# KiCad board panel.kicad_pcb (continued)
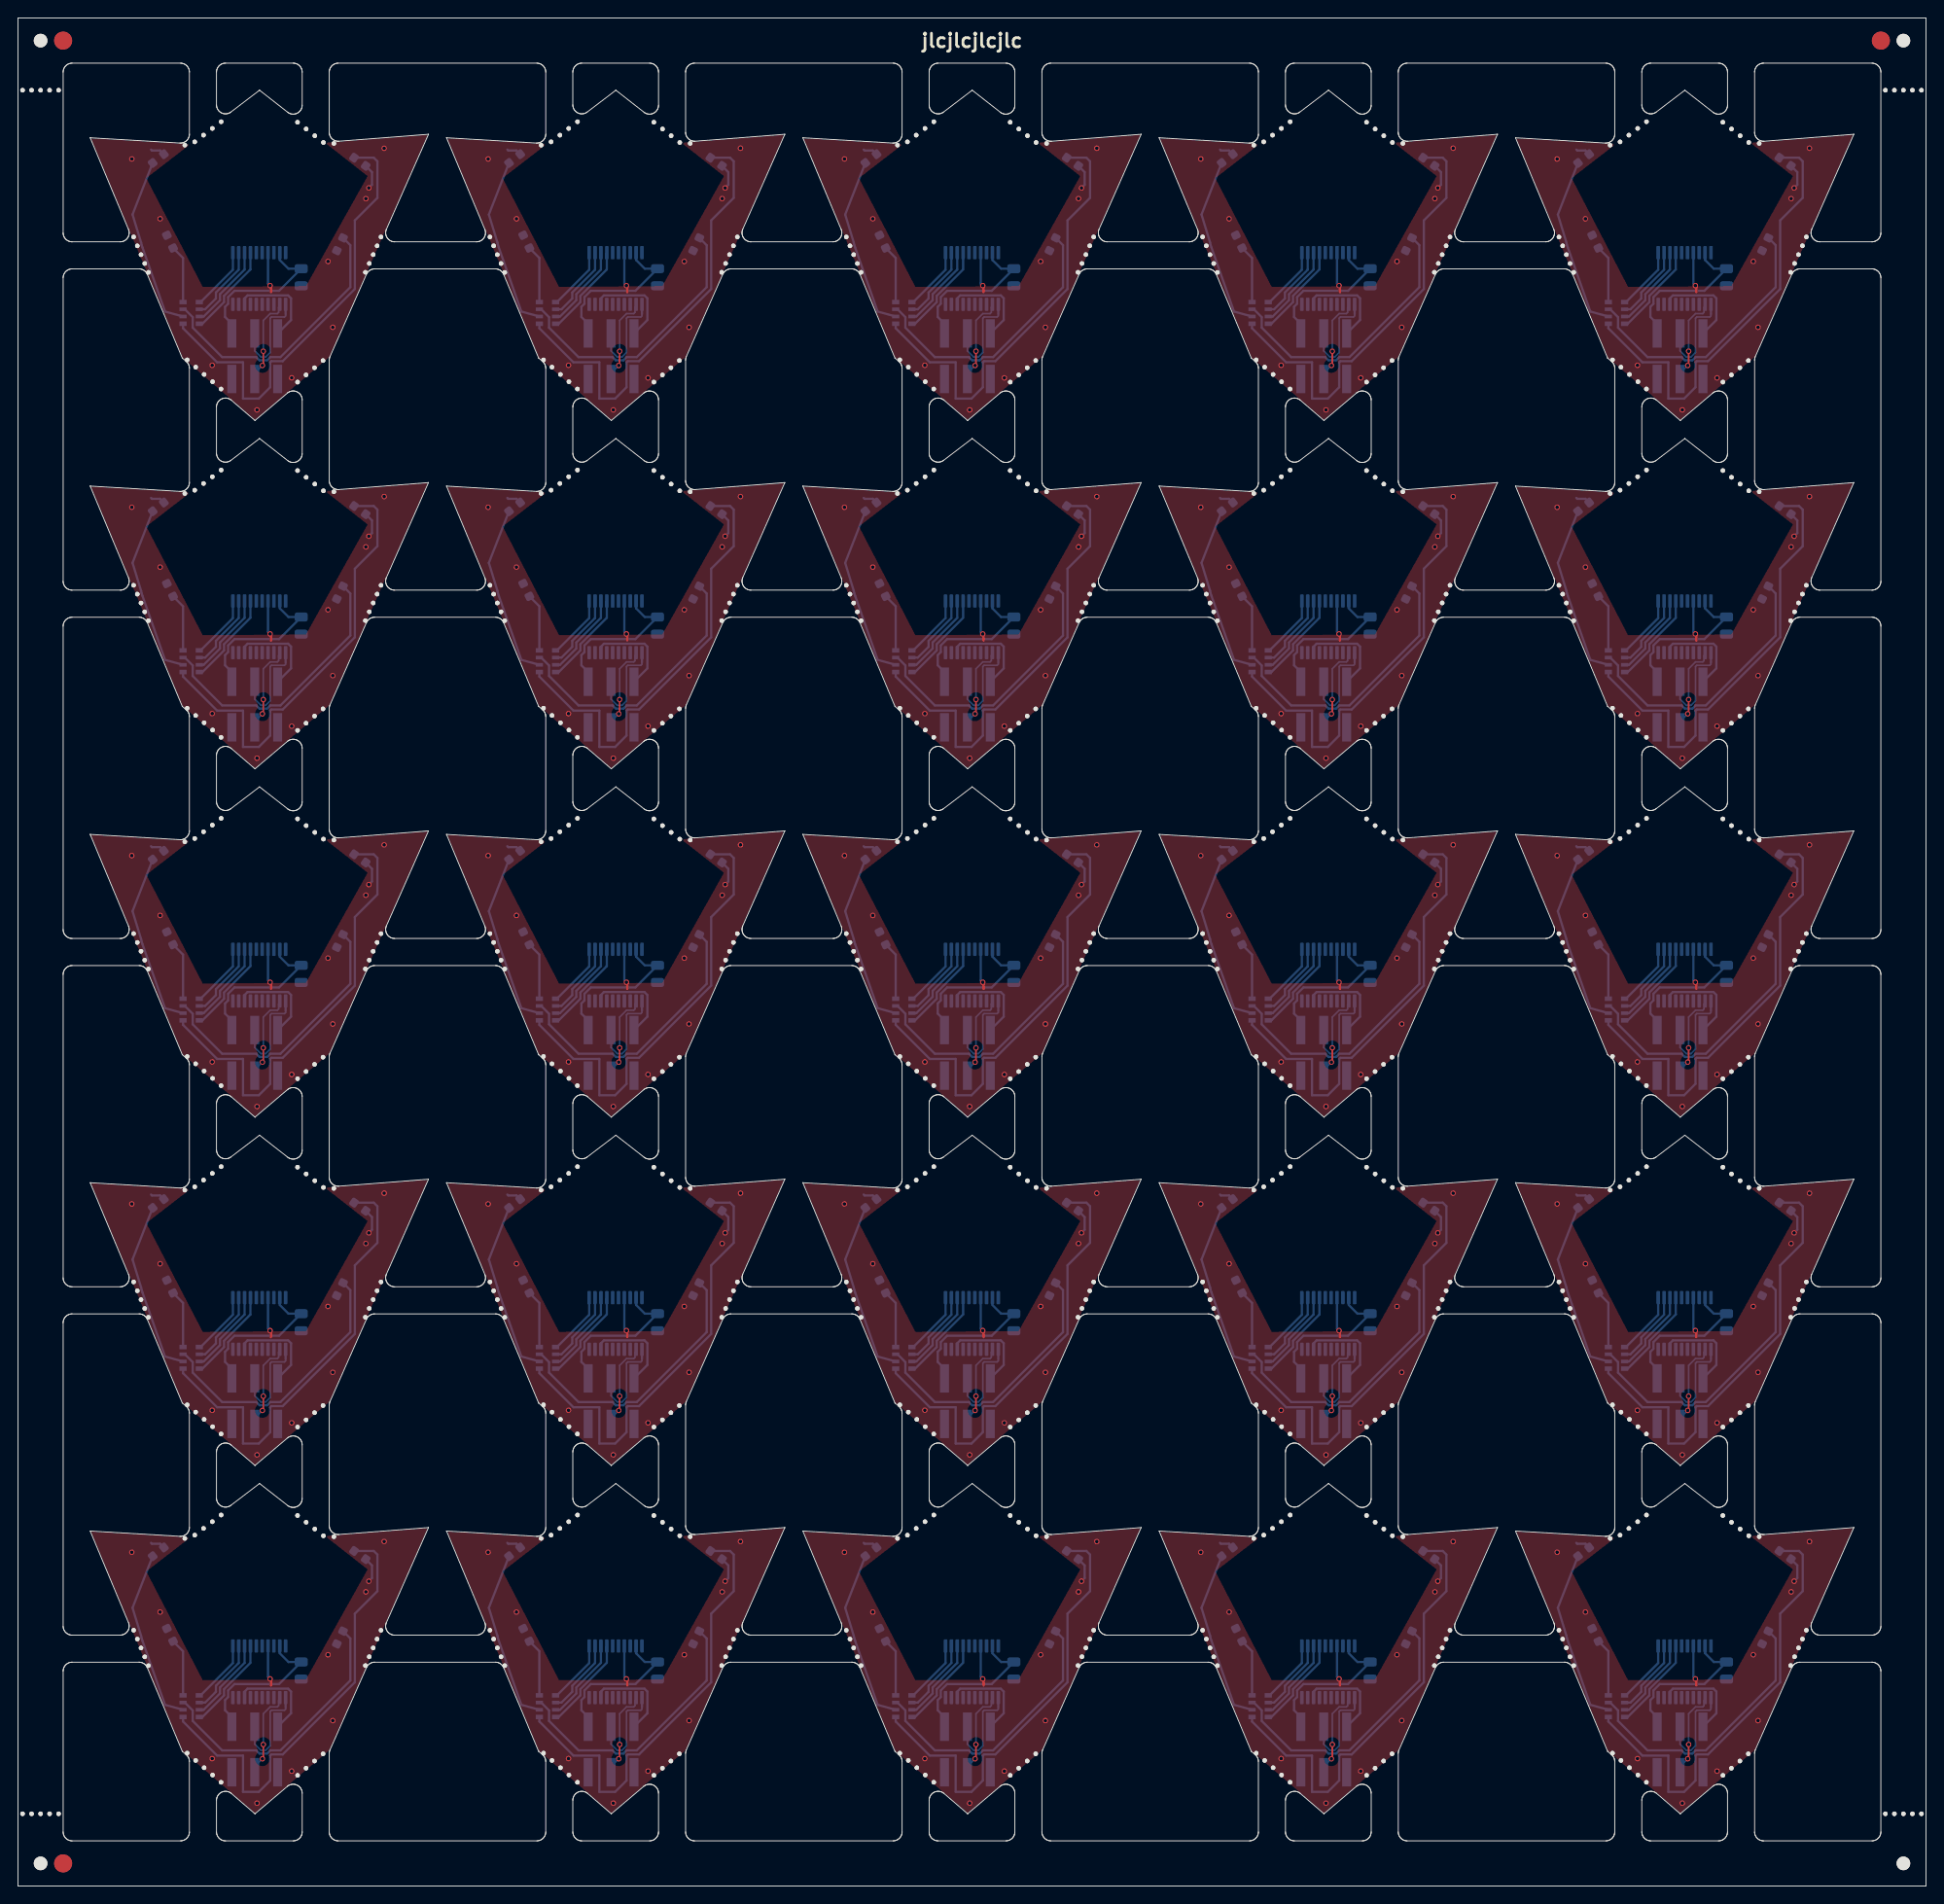
[diagram p0: board, top side]
## Routing (per net, layer and track width the routed paths; a pad name or vN(x,y) marks a point on that pad's centre or on a via; arc(x,y) is an arc through that point) (continued)
  Bottom w0.25: 187.7,59.41 187.7,58.41
Board_19-SWIO: length 10.7
  Bottom w0.25: J1#3.5 188.3,57.75 188.3,60.15 187.98,60.47 183.48,60.47 183.15,60.15 183.15,59.41
Board_19-VCC: length 17.4
  Bottom w0.25: J1#3.1 181.74,57.33 180.99,58.08 180.99,59.21 181.33,59.55 181.33,60.28 182.03,60.98 186.98,60.98 C1#2.2 188.02,63.43 187.05,64.4 187.05,65.13
Board_19-VSS: length 9
  Top w0.25: 186.08,60.83 186.08,61.46 v1(185.98,61.56)
  Bottom w0.25: U1#6.7 185.75,61.78 v1(185.98,61.56) ; D8#15.1 197.28,74.13 197.28,72.73 v1(196.93,72.38) ; D4#6.1 173.79,76.53 172.88,76.53 172.78,76.63
  vias: v1(170.65,75.59) v1(173.79,68.96) v1(179.56,52.72) v1(184.53,47.78) v1(188.38,51.33) v1(192.4,64.23) v1(192.93,56.93) v1(196.6,71.2) v1(198.63,76.78)
Board_20-A: length 7
  Bottom w0.25: 23.82,26.53 23.82,24.7 20.24,21.13 RN1#2.5
Board_20-B: length 8.4
  Bottom w0.25: 24.47,26.53 24.47,24.72 21.94,22.19 21.94,21.52 20.74,20.33 RN1#2.6
Board_20-C: length 9.4
  Bottom w0.25: RN1#2.7 20.58,19.53 22.39,21.34 22.39,22 25.12,24.73 25.12,26.53
Board_20-D: length 10.4
  Bottom w0.25: 25.77,26.53 25.77,24.74 22.84,21.81 22.84,21.12 20.44,18.73 RN1#2.8
Board_20-Net-(D2-A): length 6.4
  Bottom w0.25: RN1#2.4 18.29,26.01 D2#6.2
Board_20-Net-(D4-A): length 19.6
  Bottom w0.25: RN1#2.2 16.29,20.08 13.79,27.18 13.69,27.48 13.64,27.73 12.69,30.83 D4#3.2
Board_20-Net-(D6-A): length 30.7
  Bottom w0.25: D6#13.2 36.84,27.43 36.84,22.78 29.09,15.03 27.97,15.03 27.61,14.67 26.78,14.67 26.42,15.03 22.63,15.03 19.37,18.29 19.37,19.45 18.49,20.33 RN1#2.3
Board_20-Net-(D8-A): length 49.7
  Bottom w0.25: D8#24.2 39.44,37.13 39.84,36.73 39.84,32.68 37.34,30.18 37.34,22.58 29.34,14.58 28.08,14.58 27.96,14.45 27.96,11.69 26.7,10.43 24.94,10.43 24.94,14.45 22.07,14.45 18.29,18.23 RN1#2.1
Board_20-SCL: length 9.8
  Top w0.18: v1(27.09,14.1) 27.19,14.2 v1(27.19,15.68)
  Bottom w0.18: v1(27.19,15.68) 27.19,19.09 27.96,19.85 28.76,19.85 28.9,19.99 28.9,20.53 29.02,20.65 29.02,20.8 ; J1#20.4 26.24,13.25 v1(27.09,14.1)
Board_20-SDA: length 11
  Bottom w0.18: J1#20.3 26.24,15.72 26.93,15.04 27.46,15.04 27.96,15.54 27.96,19.34 28.1,19.48 29.54,19.48 29.67,19.6 29.67,19.8
  Bottom w0.25: 29.67,20.8 29.67,19.8
Board_20-SWIO: length 10.7
  Bottom w0.25: 25.12,20.8 25.12,21.54 25.45,21.87 29.95,21.87 30.27,21.54 30.27,19.14 J1#20.5
Board_20-VCC: length 17.4
  Bottom w0.25: J1#20.1 23.7,18.73 22.95,19.48 22.95,20.6 23.29,20.94 23.29,21.68 23.99,22.38 28.94,22.38 C1#8.2 29.98,24.83 29.02,25.79 29.02,26.53
Board_20-VSS: length 9
  Top w0.25: 28.04,22.23 28.04,22.85 v1(27.94,22.95)
  Bottom w0.25: v1(38.89,33.78) 39.24,34.13 39.24,35.53 D8#24.1 ; 14.74,38.03 14.84,37.93 15.76,37.93 D4#3.1 ; U1.7 27.72,23.18 v1(27.94,22.95)
  vias: v1(12.61,36.99) v1(15.75,30.36) v1(21.52,14.12) v1(26.49,9.18) v1(30.34,12.73) v1(34.36,25.63) v1(34.89,18.33) v1(38.56,32.6) v1(40.59,38.18)
Board_21-A: length 7
  Bottom w0.25: 63.33,26.53 63.33,24.7 59.75,21.13 RN1#19.5
Board_21-B: length 8.4
  Bottom w0.25: 63.98,26.53 63.98,24.72 61.45,22.19 61.45,21.52 60.25,20.33 RN1#19.6
Board_21-C: length 9.4
  Bottom w0.25: 64.63,26.53 64.63,24.73 61.9,22 61.9,21.34 60.09,19.53 RN1#19.7
Board_21-D: length 10.4
  Bottom w0.25: RN1#19.8 59.95,18.73 62.35,21.12 62.35,21.81 65.28,24.74 65.28,26.53
Board_21-Net-(D2-A): length 6.4
  Bottom w0.25: RN1#19.4 57.8,26.01 D2#16.2
Board_21-Net-(D4-A): length 19.6
  Bottom w0.25: RN1#19.2 55.8,20.08 53.3,27.18 53.2,27.48 53.15,27.73 52.2,30.83 D4#8.2
Board_21-Net-(D6-A): length 30.7
  Bottom w0.25: RN1#19.3 58,20.33 58.88,19.45 58.88,18.29 62.14,15.03 65.93,15.03 66.29,14.67 67.12,14.67 67.47,15.03 68.6,15.03 76.35,22.78 76.35,27.43 D6#17.2
Board_21-Net-(D8-A): length 49.7
  Bottom w0.25: RN1#19.1 57.8,18.23 61.58,14.45 64.45,14.45 64.45,10.43 66.2,10.43 67.47,11.69 67.47,14.45 67.59,14.58 68.85,14.58 76.85,22.58 76.85,30.18 79.35,32.68 79.35,36.73 78.95,37.13 D8#2.2
Board_21-SCL: length 9.8
  Top w0.18: v1(66.6,14.1) 66.7,14.2 v1(66.7,15.68)
  Bottom w0.18: 68.53,20.8 68.53,20.65 68.4,20.53 68.4,19.99 68.27,19.85 67.47,19.85 66.7,19.09 v1(66.7,15.68) ; v1(66.6,14.1) 65.75,13.25 J1#17.4
Board_21-SDA: length 11
  Bottom w0.18: 69.18,19.8 69.18,19.6 69.05,19.48 67.61,19.48 67.47,19.34 67.47,15.54 66.97,15.04 66.44,15.04 65.75,15.72 J1#17.3
  Bottom w0.25: 69.18,20.8 69.18,19.8
Board_21-SWIO: length 10.7
  Bottom w0.25: J1#17.5 69.78,19.14 69.78,21.54 69.46,21.87 64.95,21.87 64.63,21.54 64.63,20.8
Board_21-VCC: length 17.4
  Bottom w0.25: J1#17.1 63.21,18.73 62.46,19.48 62.46,20.6 62.8,20.94 62.8,21.68 63.5,22.38 68.45,22.38 C1#18.2 69.49,24.83 68.53,25.79 68.53,26.53
Board_21-VSS: length 9
  Top w0.25: 67.55,22.23 67.55,22.85 v1(67.45,22.95)
  Bottom w0.25: v1(67.45,22.95) 67.23,23.18 U1#2.7 ; D4#8.1 55.27,37.93 54.35,37.93 54.25,38.03 ; D8#2.1 78.75,35.53 78.75,34.13 v1(78.4,33.78)
  vias: v1(52.12,36.99) v1(55.26,30.36) v1(61.03,14.12) v1(66,9.18) v1(69.85,12.73) v1(73.87,25.63) v1(74.4,18.33) v1(78.07,32.6) v1(80.1,38.18)
Board_22-A: length 7
  Bottom w0.25: RN1#4.5 99.26,21.13 102.84,24.7 102.84,26.53
Board_22-B: length 8.4
  Bottom w0.25: 103.49,26.53 103.49,24.72 100.96,22.19 100.96,21.52 99.76,20.33 RN1#4.6
Board_22-C: length 9.4
  Bottom w0.25: RN1#4.7 99.6,19.53 101.41,21.34 101.41,22 104.14,24.73 104.14,26.53
Board_22-D: length 10.4
  Bottom w0.25: RN1#4.8 99.46,18.73 101.86,21.12 101.86,21.81 104.79,24.74 104.79,26.53
Board_22-Net-(D2-A): length 6.4
  Bottom w0.25: RN1#4.4 97.31,26.01 D2#3.2
Board_22-Net-(D4-A): length 19.6
  Bottom w0.25: D4#17.2 91.71,30.83 92.66,27.73 92.71,27.48 92.81,27.18 95.31,20.08 RN1#4.2
Board_22-Net-(D6-A): length 30.7
  Bottom w0.25: D6#12.2 115.86,27.43 115.86,22.78 108.11,15.03 106.98,15.03 106.63,14.67 105.8,14.67 105.44,15.03 101.65,15.03 98.39,18.29 98.39,19.45 97.51,20.33 RN1#4.3
Board_22-Net-(D8-A): length 49.7
  Bottom w0.25: D8#9.2 118.46,37.13 118.86,36.73 118.86,32.68 116.36,30.18 116.36,22.58 108.36,14.58 107.1,14.58 106.97,14.45 106.97,11.69 105.71,10.43 103.96,10.43 103.96,14.45 101.09,14.45 97.31,18.23 RN1#4.1
Board_22-SCL: length 9.8
  Top w0.18: v1(106.21,15.68) 106.21,14.2 v1(106.11,14.1)
  Bottom w0.18: 108.04,20.8 108.04,20.65 107.91,20.53 107.91,19.99 107.78,19.85 106.97,19.85 106.21,19.09 v1(106.21,15.68) ; v1(106.11,14.1) 105.26,13.25 J1#9.4
Board_22-SDA: length 11
  Bottom w0.18: J1#9.3 105.26,15.72 105.95,15.04 106.48,15.04 106.98,15.54 106.98,19.34 107.11,19.48 108.56,19.48 108.69,19.6 108.69,19.8
  Bottom w0.25: 108.69,20.8 108.69,19.8
Board_22-SWIO: length 10.7
  Bottom w0.25: 104.14,20.8 104.14,21.54 104.46,21.87 108.97,21.87 109.29,21.54 109.29,19.14 J1#9.5
Board_22-VCC: length 17.4
  Bottom w0.25: J1#9.1 102.72,18.73 101.97,19.48 101.97,20.6 102.31,20.94 102.31,21.68 103.01,22.38 107.96,22.38 C1#23.2 109,24.83 108.04,25.79 108.04,26.53
Board_22-VSS: length 9
  Top w0.25: v1(106.96,22.95) 107.06,22.85 107.06,22.23
  Bottom w0.25: U1#14.7 106.74,23.18 v1(106.96,22.95) ; D4#17.1 94.78,37.93 93.86,37.93 93.76,38.03 ; v1(117.91,33.78) 118.26,34.13 118.26,35.53 D8#9.1
  vias: v1(91.63,36.99) v1(94.77,30.36) v1(100.54,14.12) v1(105.51,9.18) v1(109.36,12.73) v1(113.38,25.63) v1(113.91,18.33) v1(117.58,32.6) v1(119.61,38.18)
Board_23-A: length 7
  Bottom w0.25: RN1#14.5 138.77,21.13 142.34,24.7 142.34,26.53
Board_23-B: length 8.4
  Bottom w0.25: 142.99,26.53 142.99,24.72 140.47,22.19 140.47,21.52 139.27,20.33 RN1#14.6
Board_23-C: length 9.4
  Bottom w0.25: RN1#14.7 139.11,19.53 140.92,21.34 140.92,22 143.64,24.73 143.64,26.53
Board_23-D: length 10.4
  Bottom w0.25: 144.29,26.53 144.29,24.74 141.37,21.81 141.37,21.12 138.97,18.73 RN1#14.8
Board_23-Net-(D2-A): length 6.4
  Bottom w0.25: RN1#14.4 136.82,26.01 D2#19.2
Board_23-Net-(D4-A): length 19.6
  Bottom w0.25: RN1#14.2 134.82,20.08 132.32,27.18 132.22,27.48 132.17,27.73 131.22,30.83 D4#15.2
Board_23-Net-(D6-A): length 30.7
  Bottom w0.25: D6#19.2 155.37,27.43 155.37,22.78 147.62,15.03 146.49,15.03 146.14,14.67 145.3,14.67 144.95,15.03 141.16,15.03 137.89,18.29 137.89,19.45 137.02,20.33 RN1#14.3
Board_23-Net-(D8-A): length 49.7
  Bottom w0.25: RN1#14.1 136.82,18.23 140.59,14.45 143.47,14.45 143.47,10.43 145.22,10.43 146.48,11.69 146.48,14.45 146.61,14.58 147.87,14.58 155.87,22.58 155.87,30.18 158.37,32.68 158.37,36.73 157.97,37.13 D8#18.2
Board_23-SCL: length 9.8
  Top w0.18: v1(145.62,14.1) 145.72,14.2 v1(145.72,15.68)
  Bottom w0.18: v1(145.62,14.1) 144.77,13.25 J1#15.4 ; v1(145.72,15.68) 145.72,19.09 146.48,19.85 147.28,19.85 147.42,19.99 147.42,20.53 147.54,20.65 147.54,20.8
Board_23-SDA: length 11
  Bottom w0.18: 148.19,19.8 148.19,19.6 148.07,19.48 146.62,19.48 146.48,19.34 146.48,15.54 145.99,15.04 145.45,15.04 144.77,15.72 J1#15.3
  Bottom w0.25: 148.19,20.8 148.19,19.8
Board_23-SWIO: length 10.7
  Bottom w0.25: J1#15.5 148.8,19.14 148.8,21.54 148.47,21.87 143.97,21.87 143.64,21.54 143.64,20.8
Board_23-VCC: length 17.4
  Bottom w0.25: 147.54,26.53 147.54,25.79 148.51,24.83 C1#25.2 147.47,22.38 142.52,22.38 141.82,21.68 141.82,20.94 141.48,20.6 141.48,19.48 142.23,18.73 J1#15.1
Board_23-VSS: length 9
  Top w0.25: v1(146.47,22.95) 146.57,22.85 146.57,22.23
  Bottom w0.25: U1#16.7 146.24,23.18 v1(146.47,22.95) ; v1(157.42,33.78) 157.77,34.13 157.77,35.53 D8#18.1 ; 133.27,38.03 133.37,37.93 134.28,37.93 D4#15.1
  vias: v1(131.14,36.99) v1(134.28,30.36) v1(140.05,14.12) v1(145.02,9.18) v1(148.87,12.73) v1(152.89,25.63) v1(153.42,18.33) v1(157.09,32.6) v1(159.12,38.18)
Board_24-A: length 7
  Bottom w0.25: 181.85,26.53 181.85,24.7 178.28,21.13 RN1#20.5
Board_24-B: length 8.4
  Bottom w0.25: 182.5,26.53 182.5,24.72 179.98,22.19 179.98,21.52 178.78,20.33 RN1#20.6
Board_24-C: length 9.4
  Bottom w0.25: 183.15,26.53 183.15,24.73 180.43,22 180.43,21.34 178.62,19.53 RN1#20.7
Board_24-D: length 10.4
  Bottom w0.25: 183.8,26.53 183.8,24.74 180.88,21.81 180.88,21.12 178.48,18.73 RN1#20.8
Board_24-Net-(D2-A): length 6.4
  Bottom w0.25: D2#14.2 176.33,26.01 RN1#20.4
Board_24-Net-(D4-A): length 19.6
  Bottom w0.25: RN1#20.2 174.33,20.08 171.83,27.18 171.73,27.48 171.68,27.73 170.73,30.83 D4#2.2
Board_24-Net-(D6-A): length 30.7
  Bottom w0.25: D6#3.2 194.88,27.43 194.88,22.78 187.13,15.03 186,15.03 185.64,14.67 184.81,14.67 184.46,15.03 180.66,15.03 177.4,18.29 177.4,19.45 176.53,20.33 RN1#20.3
Board_24-Net-(D8-A): length 49.7
  Bottom w0.25: D8#14.2 197.48,37.13 197.88,36.73 197.88,32.68 195.38,30.18 195.38,22.58 187.38,14.58 186.12,14.58 185.99,14.45 185.99,11.69 184.73,10.43 182.98,10.43 182.98,14.45 180.1,14.45 176.33,18.23 RN1#20.1
Board_24-SCL: length 9.8
  Top w0.18: v1(185.13,14.1) 185.23,14.2 v1(185.23,15.68)
  Bottom w0.18: 187.05,20.8 187.05,20.65 186.93,20.53 186.93,19.99 186.79,19.85 185.99,19.85 185.23,19.09 v1(185.23,15.68) ; v1(185.13,14.1) 184.28,13.25 J1#14.4
Board_24-SDA: length 11
  Bottom w0.18: J1#14.3 184.28,15.72 184.96,15.04 185.49,15.04 185.99,15.54 185.99,19.34 186.13,19.48 187.58,19.48 187.7,19.6 187.7,19.8
  Bottom w0.25: 187.7,20.8 187.7,19.8
Board_24-SWIO: length 10.7
  Bottom w0.25: 183.15,20.8 183.15,21.54 183.48,21.87 187.98,21.87 188.3,21.54 188.3,19.14 J1#14.5
Board_24-VCC: length 17.4
  Bottom w0.25: J1#14.1 181.74,18.73 180.99,19.48 180.99,20.6 181.33,20.94 181.33,21.68 182.03,22.38 186.98,22.38 C1#15.2 188.02,24.83 187.05,25.79 187.05,26.53
Board_24-VSS: length 9
  Top w0.25: 186.08,22.23 186.08,22.85 v1(185.98,22.95)
  Bottom w0.25: D8#14.1 197.28,35.53 197.28,34.13 v1(196.93,33.78) ; 172.78,38.03 172.88,37.93 173.79,37.93 D4#2.1 ; v1(185.98,22.95) 185.75,23.18 U1#8.7
  vias: v1(170.65,36.99) v1(173.79,30.36) v1(179.56,14.12) v1(184.53,9.18) v1(188.38,12.73) v1(192.4,25.63) v1(192.93,18.33) v1(196.6,32.6) v1(198.63,38.18)

## Copper pours and planes (outline as drawn; the poured copper is in the pictures)
Board_0-VSS on Top, Bottom: 19.28,193.2 7.82,193.89 18.12,169.25 26.32,162.27 34.67,169.31 45.71,194.27 33.87,193.35 38.76,189.52 31.92,177.32 20.48,177.24 14.22,189.29
Board_0-VSS on Bottom: 34.36,193.3 39.11,189.6 32.08,177.06 20.3,176.96 13.87,189.38 18.85,193.18 7.93,193.83 18.17,169.32 26.26,162.37 34.59,169.4 45.59,194.22 34.31,193.34
Board_1-VSS on Top, Bottom: 58.79,193.2 47.33,193.89 57.63,169.25 65.83,162.27 74.18,169.31 85.21,194.27 73.38,193.35 78.26,189.52 71.43,177.32 59.99,177.24 53.73,189.29
Board_1-VSS on Bottom: 73.87,193.3 78.62,189.6 71.59,177.06 59.81,176.96 53.38,189.38 58.36,193.18 47.44,193.83 57.68,169.32 65.77,162.37 74.1,169.4 85.1,194.22 73.82,193.34
Board_2-VSS on Top, Bottom: 98.3,193.2 86.84,193.89 97.14,169.25 105.34,162.27 113.69,169.31 124.72,194.27 112.88,193.35 117.77,189.52 110.94,177.32 99.5,177.24 93.24,189.29
Board_2-VSS on Bottom: 113.38,193.3 118.13,189.6 111.1,177.06 99.32,176.96 92.89,189.38 97.87,193.18 86.95,193.83 97.19,169.32 105.28,162.37 113.61,169.4 124.61,194.22 113.33,193.34
Board_3-VSS on Top, Bottom: 137.8,193.2 126.35,193.89 136.65,169.25 144.85,162.27 153.2,169.31 164.23,194.27 152.39,193.35 157.28,189.52 150.45,177.32 139.01,177.24 132.75,189.29
Board_3-VSS on Bottom: 152.89,193.3 157.64,189.6 150.61,177.06 138.83,176.96 132.4,189.38 137.38,193.18 126.46,193.83 136.7,169.32 144.79,162.37 153.12,169.4 164.12,194.22 152.84,193.34
Board_4-VSS on Top, Bottom: 177.31,193.2 165.86,193.89 176.16,169.25 184.36,162.27 192.7,169.31 203.74,194.27 191.9,193.35 196.79,189.52 189.96,177.32 178.51,177.24 172.26,189.29
Board_4-VSS on Bottom: 192.4,193.3 197.15,189.6 190.12,177.06 178.34,176.96 171.91,189.38 176.89,193.18 165.97,193.83 176.21,169.32 184.3,162.37 192.63,169.4 203.63,194.22 192.35,193.34
Board_5-VSS on Top, Bottom: 19.28,154.59 7.82,155.28 18.12,130.64 26.32,123.66 34.67,130.71 45.71,155.67 33.87,154.74 38.76,150.91 31.92,138.72 20.48,138.63 14.22,150.69
Board_5-VSS on Bottom: 34.36,154.69 39.11,150.99 32.08,138.45 20.3,138.35 13.87,150.77 18.85,154.57 7.93,155.22 18.17,130.71 26.26,123.76 34.59,130.79 45.59,155.61 34.31,154.73
Board_6-VSS on Top, Bottom: 58.79,154.59 47.33,155.28 57.63,130.64 65.83,123.66 74.18,130.71 85.21,155.67 73.38,154.74 78.26,150.91 71.43,138.72 59.99,138.63 53.73,150.69
Board_6-VSS on Bottom: 73.87,154.69 78.62,150.99 71.59,138.45 59.81,138.35 53.38,150.77 58.36,154.57 47.44,155.22 57.68,130.71 65.77,123.76 74.1,130.79 85.1,155.61 73.82,154.73
Board_7-VSS on Top, Bottom: 98.3,154.59 86.84,155.28 97.14,130.64 105.34,123.66 113.69,130.71 124.72,155.67 112.88,154.74 117.77,150.91 110.94,138.72 99.5,138.63 93.24,150.69
Board_7-VSS on Bottom: 113.38,154.69 118.13,150.99 111.1,138.45 99.32,138.35 92.89,150.77 97.87,154.57 86.95,155.22 97.19,130.71 105.28,123.76 113.61,130.79 124.61,155.61 113.33,154.73
Board_8-VSS on Top, Bottom: 137.8,154.59 126.35,155.28 136.65,130.64 144.85,123.66 153.2,130.71 164.23,155.67 152.39,154.74 157.28,150.91 150.45,138.72 139.01,138.63 132.75,150.69
Board_8-VSS on Bottom: 152.89,154.69 157.64,150.99 150.61,138.45 138.83,138.35 132.4,150.77 137.38,154.57 126.46,155.22 136.7,130.71 144.79,123.76 153.12,130.79 164.12,155.61 152.84,154.73
Board_9-VSS on Top, Bottom: 177.31,154.59 165.86,155.28 176.16,130.64 184.36,123.66 192.7,130.71 203.74,155.67 191.9,154.74 196.79,150.91 189.96,138.72 178.51,138.63 172.26,150.69
Board_9-VSS on Bottom: 192.4,154.69 197.15,150.99 190.12,138.45 178.34,138.35 171.91,150.77 176.89,154.57 165.97,155.22 176.21,130.71 184.3,123.76 192.63,130.79 203.63,155.61 192.35,154.73
Board_10-VSS on Top, Bottom: 19.28,115.98 7.82,116.67 18.12,92.03 26.32,85.05 34.67,92.1 45.71,117.06 33.87,116.13 38.76,112.3 31.92,100.11 20.48,100.02 14.22,112.08
Board_10-VSS on Bottom: 34.36,116.08 39.11,112.38 32.08,99.84 20.3,99.74 13.87,112.16 18.85,115.96 7.93,116.61 18.17,92.1 26.26,85.15 34.59,92.18 45.59,117 34.31,116.12
Board_11-VSS on Top, Bottom: 58.79,115.98 47.33,116.67 57.63,92.03 65.83,85.05 74.18,92.1 85.21,117.06 73.38,116.13 78.26,112.3 71.43,100.11 59.99,100.02 53.73,112.08
Board_11-VSS on Bottom: 73.87,116.08 78.62,112.38 71.59,99.84 59.81,99.74 53.38,112.16 58.36,115.96 47.44,116.61 57.68,92.1 65.77,85.15 74.1,92.18 85.1,117 73.82,116.12
Board_12-VSS on Top, Bottom: 98.3,115.98 86.84,116.67 97.14,92.03 105.34,85.05 113.69,92.1 124.72,117.06 112.88,116.13 117.77,112.3 110.94,100.11 99.5,100.02 93.24,112.08
Board_12-VSS on Bottom: 113.38,116.08 118.13,112.38 111.1,99.84 99.32,99.74 92.89,112.16 97.87,115.96 86.95,116.61 97.19,92.1 105.28,85.15 113.61,92.18 124.61,117 113.33,116.12
Board_13-VSS on Top, Bottom: 137.8,115.98 126.35,116.67 136.65,92.03 144.85,85.05 153.2,92.1 164.23,117.06 152.39,116.13 157.28,112.3 150.45,100.11 139.01,100.02 132.75,112.08
Board_13-VSS on Bottom: 152.89,116.08 157.64,112.38 150.61,99.84 138.83,99.74 132.4,112.16 137.38,115.96 126.46,116.61 136.7,92.1 144.79,85.15 153.12,92.18 164.12,117 152.84,116.12
Board_14-VSS on Top, Bottom: 177.31,115.98 165.86,116.67 176.16,92.03 184.36,85.05 192.7,92.1 203.74,117.06 191.9,116.13 196.79,112.3 189.96,100.11 178.51,100.02 172.26,112.08
Board_14-VSS on Bottom: 192.4,116.08 197.15,112.38 190.12,99.84 178.34,99.74 171.91,112.16 176.89,115.96 165.97,116.61 176.21,92.1 184.3,85.15 192.63,92.18 203.63,117 192.35,116.12
Board_15-VSS on Top, Bottom: 19.28,77.37 7.82,78.07 18.12,53.43 26.32,46.45 34.67,53.49 45.71,78.45 33.87,77.53 38.76,73.69 31.92,61.5 20.48,61.42 14.22,73.47
Board_15-VSS on Bottom: 34.36,77.47 39.11,73.77 32.08,61.23 20.3,61.13 13.87,73.55 18.85,77.35 7.93,78 18.17,53.49 26.26,46.54 34.59,53.57 45.59,78.39 34.31,77.51
Board_16-VSS on Top, Bottom: 58.79,77.37 47.33,78.07 57.63,53.43 65.83,46.45 74.18,53.49 85.21,78.45 73.38,77.53 78.26,73.69 71.43,61.5 59.99,61.42 53.73,73.47
Board_16-VSS on Bottom: 73.87,77.47 78.62,73.77 71.59,61.23 59.81,61.13 53.38,73.55 58.36,77.35 47.44,78 57.68,53.49 65.77,46.54 74.1,53.57 85.1,78.39 73.82,77.51
Board_17-VSS on Top, Bottom: 98.3,77.37 86.84,78.07 97.14,53.43 105.34,46.45 113.69,53.49 124.72,78.45 112.88,77.53 117.77,73.69 110.94,61.5 99.5,61.42 93.24,73.47
Board_17-VSS on Bottom: 113.38,77.47 118.13,73.77 111.1,61.23 99.32,61.13 92.89,73.55 97.87,77.35 86.95,78 97.19,53.49 105.28,46.54 113.61,53.57 124.61,78.39 113.33,77.51
Board_18-VSS on Top, Bottom: 137.8,77.37 126.35,78.07 136.65,53.43 144.85,46.45 153.2,53.49 164.23,78.45 152.39,77.53 157.28,73.69 150.45,61.5 139.01,61.42 132.75,73.47
Board_18-VSS on Bottom: 152.89,77.47 157.64,73.77 150.61,61.23 138.83,61.13 132.4,73.55 137.38,77.35 126.46,78 136.7,53.49 144.79,46.54 153.12,53.57 164.12,78.39 152.84,77.51
Board_19-VSS on Top, Bottom: 177.31,77.37 165.86,78.07 176.16,53.43 184.36,46.45 192.7,53.49 203.74,78.45 191.9,77.53 196.79,73.69 189.96,61.5 178.51,61.42 172.26,73.47
Board_19-VSS on Bottom: 192.4,77.47 197.15,73.77 190.12,61.23 178.34,61.13 171.91,73.55 176.89,77.35 165.97,78 176.21,53.49 184.3,46.54 192.63,53.57 203.63,78.39 192.35,77.51
Board_20-VSS on Top, Bottom: 19.28,38.77 7.82,39.46 18.12,14.82 26.32,7.84 34.67,14.88 45.71,39.84 33.87,38.92 38.76,35.09 31.92,22.89 20.48,22.81 14.22,34.86
Board_20-VSS on Bottom: 34.36,38.87 39.11,35.17 32.08,22.63 20.3,22.53 13.87,34.95 18.85,38.75 7.93,39.4 18.17,14.89 26.26,7.94 34.59,14.97 45.59,39.79 34.31,38.91
Board_21-VSS on Top, Bottom: 58.79,38.77 47.33,39.46 57.63,14.82 65.83,7.84 74.18,14.88 85.21,39.84 73.38,38.92 78.26,35.09 71.43,22.89 59.99,22.81 53.73,34.86
Board_21-VSS on Bottom: 73.87,38.87 78.62,35.17 71.59,22.63 59.81,22.53 53.38,34.95 58.36,38.75 47.44,39.4 57.68,14.89 65.77,7.94 74.1,14.97 85.1,39.79 73.82,38.91
Board_22-VSS on Top, Bottom: 98.3,38.77 86.84,39.46 97.14,14.82 105.34,7.84 113.69,14.88 124.72,39.84 112.88,38.92 117.77,35.09 110.94,22.89 99.5,22.81 93.24,34.86
Board_22-VSS on Bottom: 113.38,38.87 118.13,35.17 111.1,22.63 99.32,22.53 92.89,34.95 97.87,38.75 86.95,39.4 97.19,14.89 105.28,7.94 113.61,14.97 124.61,39.79 113.33,38.91
Board_23-VSS on Top, Bottom: 137.8,38.77 126.35,39.46 136.65,14.82 144.85,7.84 153.2,14.88 164.23,39.84 152.39,38.92 157.28,35.09 150.45,22.89 139.01,22.81 132.75,34.86
Board_23-VSS on Bottom: 152.89,38.87 157.64,35.17 150.61,22.63 138.83,22.53 132.4,34.95 137.38,38.75 126.46,39.4 136.7,14.89 144.79,7.94 153.12,14.97 164.12,39.79 152.84,38.91
Board_24-VSS on Top, Bottom: 177.31,38.77 165.86,39.46 176.16,14.82 184.36,7.84 192.7,14.88 203.74,39.84 191.9,38.92 196.79,35.09 189.96,22.89 178.51,22.81 172.26,34.86
Board_24-VSS on Bottom: 192.4,38.87 197.15,35.17 190.12,22.63 178.34,22.53 171.91,34.95 176.89,38.75 165.97,39.4 176.21,14.89 184.3,7.94 192.63,14.97 203.63,39.79 192.35,38.91

## Text on the board
B.Silkscreen: JLCJLCJLCJLC | 1
F.Silkscreen: jlcjlcjlcjlc
